# KiCad board PCB.kicad_pcb
title: Freyr; date: 2019-07-11; rev: c; company: HnahKB
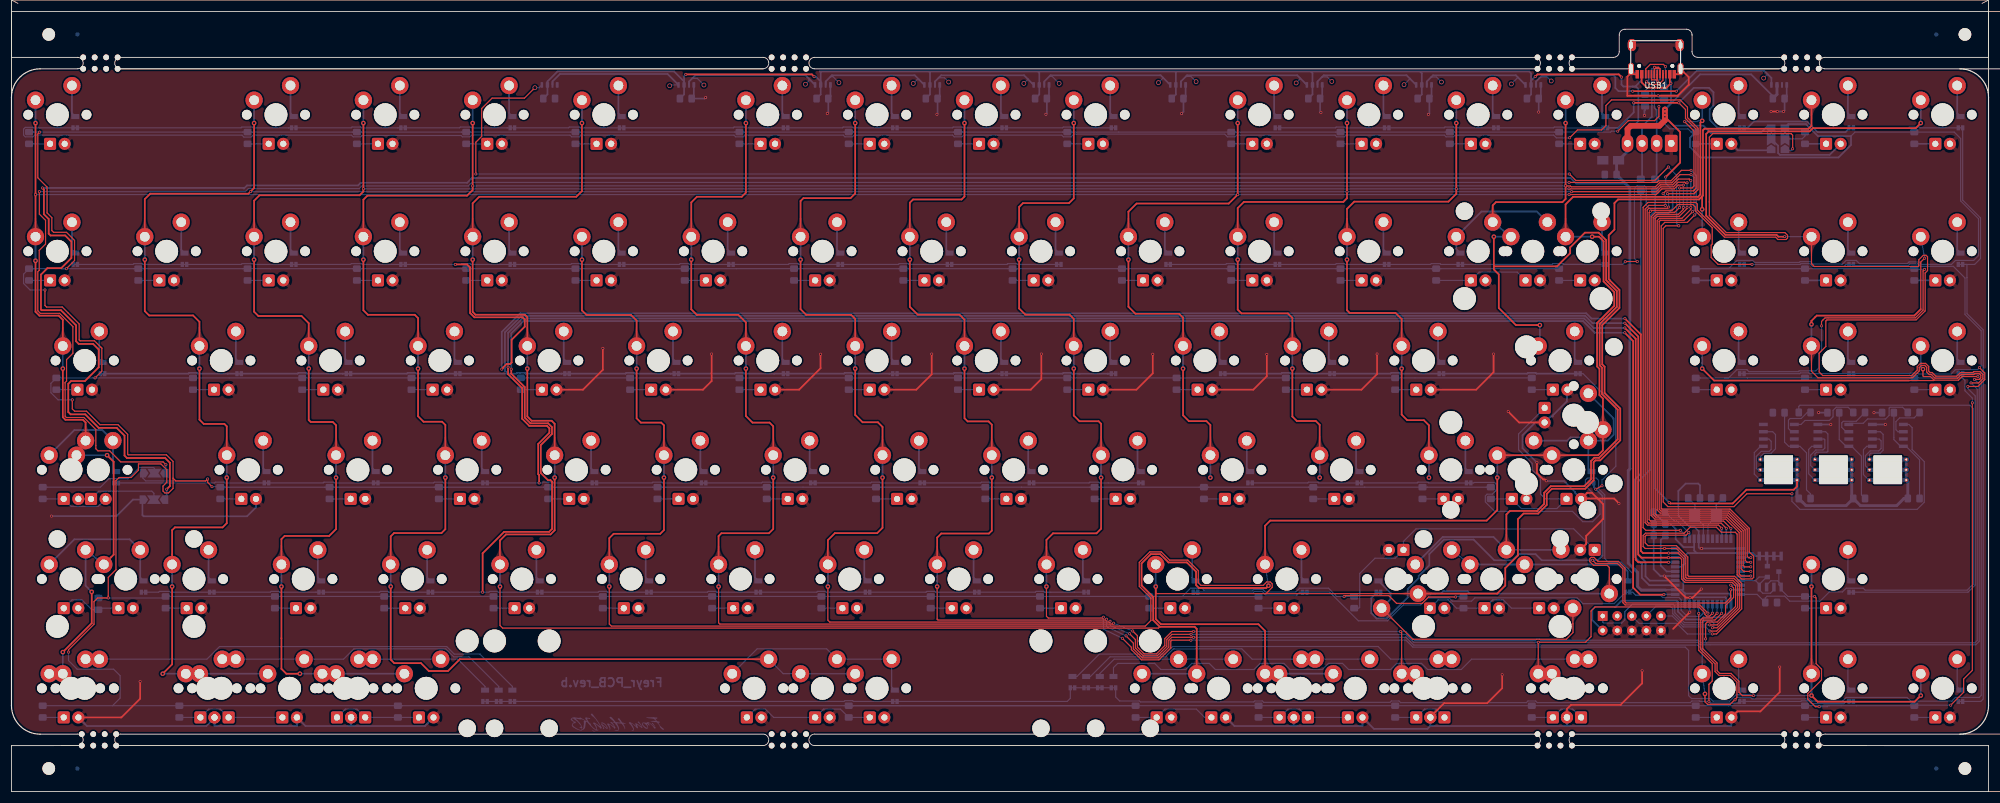
[diagram p0: board, top side]
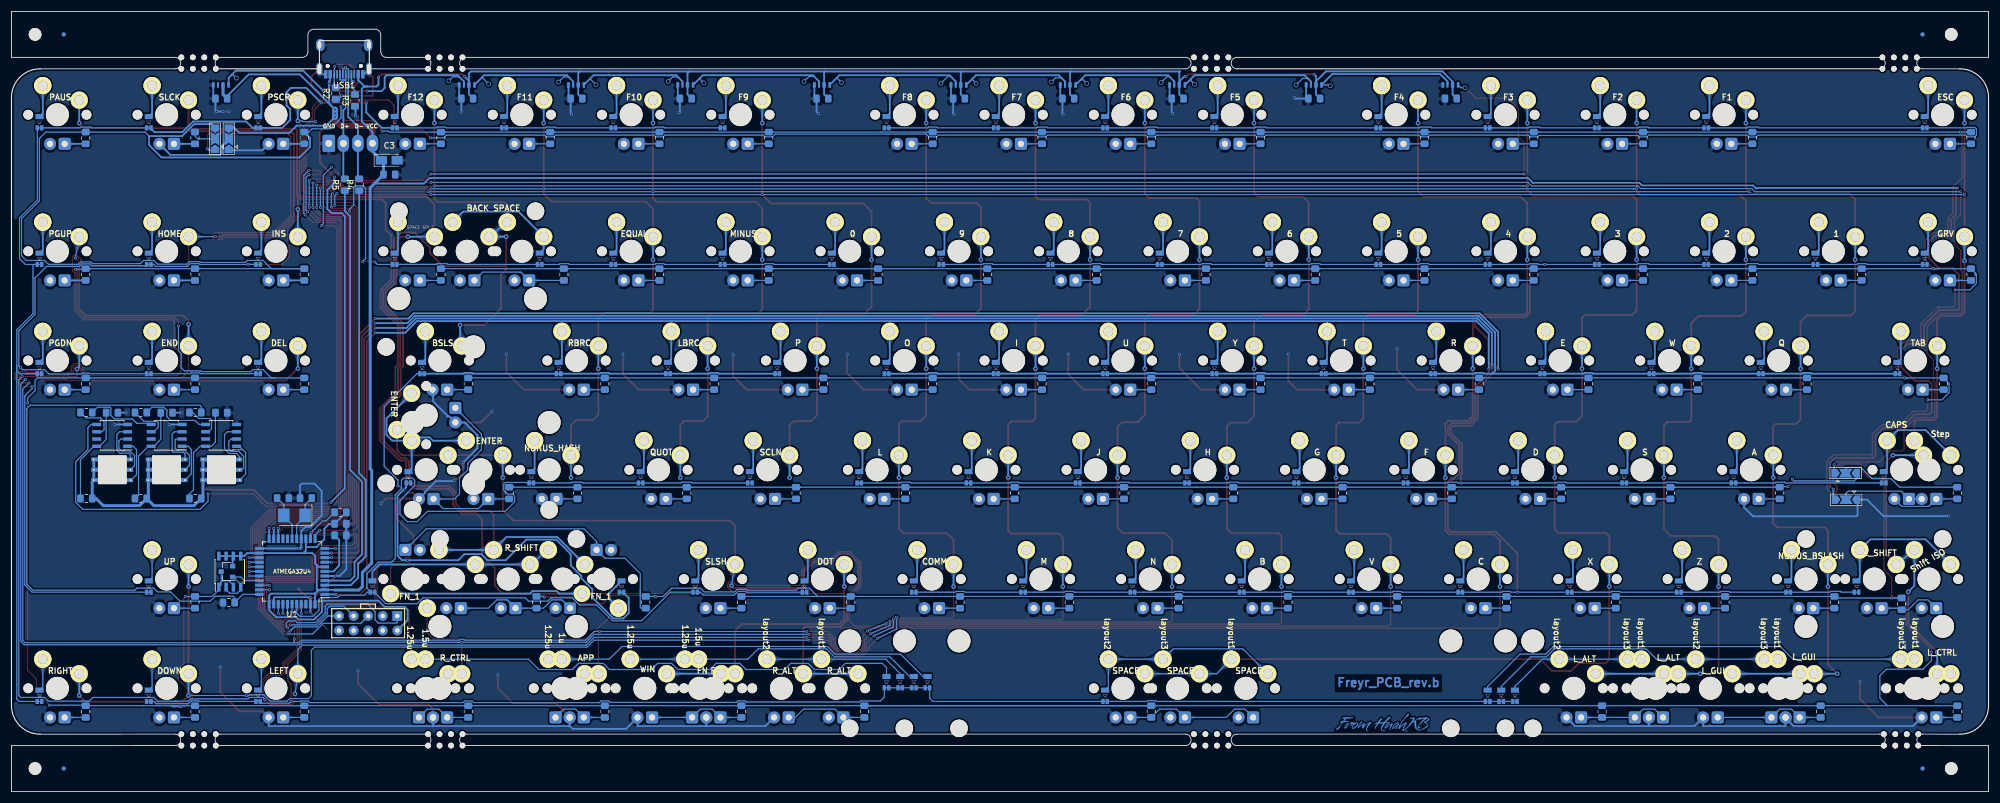
[diagram p1: board, bottom side, seen from below]

Outline 344.61 x 136.01 mm; copper layers: Top, Bottom. Coordinates in mm from the lower left corner of the outline.
Outline path: 0,136.01 344.61,136.01 344.61,128.01 316.11,128.01 arc(315.11,127.01) 316.11,126.01 339.61,126.01 arc(343.15,124.55) 344.61,121.01 344.61,15 arc(343.15,11.46) 339.61,10 316.11,10.01 arc(315.11,9.01) 316.11,8.01 344.61,8 344.61,0 0,0 0,8 11.5,8.01 arc(12.5,9.01) 11.5,10.01 5,10 arc(1.46,11.46) 0,15 0,121.01 arc(1.46,124.55) 5,126.01 11.5,126.01 arc(12.5,127.01) 11.5,128.01 0,128.01 0,136.01 ; 19,128.01 131,128.01 arc(132,127.01) 131,126.01 19,126.01 arc(18,127.01) 19,128.01 ; 19,10.01 131,10.01 arc(132,9.01) 131,8.01 19,8.01 arc(18,9.01) 19,10.01 ; 140,128.01 265.5,128.01 arc(266.5,127.01) 265.5,126.01 140,126.01 arc(139,127.01) 140,128.01 ; 140,10.01 265.5,10.01 arc(266.5,9.01) 265.5,8.01 140,8.01 arc(139,9.01) 140,10.01 ; 272.5,128.01 279.24,128.01 arc(279.95,128.31) 280.24,129.01 280.24,131.92 arc(280.54,132.63) 281.24,132.92 291.93,132.92 arc(292.64,132.63) 292.93,131.92 292.93,129.01 arc(293.23,128.31) 293.93,128.01 308.11,128.01 arc(309.11,127.01) 308.11,126.01 290.93,126.01 290.93,130.92 282.24,130.92 282.24,126.01 272.5,126.01 arc(271.5,127.01) 272.5,128.01 ; 272.5,10.01 308.11,10.01 arc(309.11,9.01) 308.11,8.01 272.5,8.01 arc(271.5,9.01) 272.5,10.01

## Placement (name value [footprint] x y rotation side)
C1  100nF  [C_0805_2012Metric_Pad1.15x1.40mm_HandSolder]  265.17 120.83 0 bottom
C2  100nF  [C_0805_2012Metric_Pad1.15x1.40mm_HandSolder]  308.04 120.83 0 bottom
C3  10uF  [CP_Tantalum_3216]  278.75 110.07 180 bottom
C4  22p  [C_0805_2012Metric_Pad1.15x1.40mm_HandSolder]  293.29 51.16 0 bottom
C5  22p  [C_0805_2012Metric_Pad1.15x1.40mm_HandSolder]  297.29 51.16 180 bottom
C6  1uF  [C_0805_2012Metric_Pad1.15x1.40mm_HandSolder]  287.27 44.68 180 bottom
C7  100nF  [C_0805_2012Metric_Pad1.15x1.40mm_HandSolder]  246.12 120.83 0 bottom
C8  100nF  [C_0805_2012Metric_Pad1.15x1.40mm_HandSolder]  203.26 120.83 0 bottom
C9  100nF  [C_0805_2012Metric_Pad1.15x1.40mm_HandSolder]  179.45 120.83 0 bottom
C10  100nF  [C_0805_2012Metric_Pad1.15x1.40mm_HandSolder]  278.75 107.57 180 bottom
C11  100nF  [C_0805_2012Metric_Pad1.15x1.40mm_HandSolder]  141.35 120.83 0 bottom
C12  100nF  [C_0805_2012Metric_Pad1.15x1.40mm_HandSolder]  117.54 120.83 0 bottom
C13  100nF  [C_0805_2012Metric_Pad1.15x1.40mm_HandSolder]  93.72 120.83 0 bottom
C14  100nF  [C_0805_2012Metric_Pad1.15x1.40mm_HandSolder]  227.07 120.83 0 bottom
C15  100nF  [C_0805_2012Metric_Pad1.15x1.40mm_HandSolder]  160.4 120.83 0 bottom
C16  100nF  [C_0805_2012Metric_Pad1.15x1.40mm_HandSolder]  287.27 46.68 180 bottom
C17  100nF  [C_0805_2012Metric_Pad1.15x1.40mm_HandSolder]  308.04 66.06 180 bottom
C18  100nF  [C_0805_2012Metric_Pad1.15x1.40mm_HandSolder]  317.56 66.06 180 bottom
C19  100nF  [C_0805_2012Metric_Pad1.15x1.40mm_HandSolder]  327.09 66.06 180 bottom
D2  4148  [D_0805_Mab_ideal]  11.11 116.74 270 bottom
D3  LED  [CHERRY_MX_LED_3MM]  8 118.01 0 top
D4  4148  [D_0805_Mab_ideal]  11.11 92.92 270 bottom
D5  4148  [D_0805_Mab_ideal]  15.87 73.87 270 bottom
D6  4148  [D_0805_Mab_ideal]  18.25 54.82 270 bottom
D7  4148  [D_0805_Mab_ideal]  23.02 35.77 270 bottom
D8  4148  [D_0805_Mab_ideal]  87.31 16.72 270 bottom
D9  4148  [D_0805_Mab_ideal]  239.71 116.74 270 bottom
D10  4148  [D_0805_Mab_ideal]  201.61 92.92 270 bottom
D11  4148  [D_0805_Mab_ideal]  211.13 73.87 270 bottom
D12  4148  [D_0805_Mab_ideal]  49.21 116.74 270 bottom
D13  4148  [D_0805_Mab_ideal]  30.16 92.92 270 bottom
D14  4148  [D_0805_Mab_ideal]  39.68 73.87 270 bottom
D15  4148  [D_0805_Mab_ideal]  44.45 54.82 270 bottom
D16  4148  [D_0805_Mab_ideal]  34.92 35.77 270 bottom
D17  4148  [D_0805_Mab_ideal]  84.93 16.72 270 bottom
D18  4148  [D_0805_Mab_ideal]  258.76 116.74 270 bottom
D19  4148  [D_0805_Mab_ideal]  220.66 92.92 270 bottom
D20  4148  [D_0805_Mab_ideal]  230.18 73.87 270 bottom
D21  4148  [D_0805_Mab_ideal]  68.26 116.74 270 bottom
D22  4148  [D_0805_Mab_ideal]  49.21 92.92 270 bottom
D23  4148  [D_0805_Mab_ideal]  58.73 73.87 270 bottom
D24  4148  [D_0805_Mab_ideal]  63.5 54.82 270 bottom
D25  4148  [D_0805_Mab_ideal]  53.97 35.77 270 bottom
D26  4148  [D_0805_Mab_ideal]  82.55 16.72 270 bottom
D27  4148  [D_0805_Mab_ideal]  277.81 116.74 270 bottom
D28  4148  [D_0805_Mab_ideal]  239.71 92.92 270 bottom
D29  4148  [D_0805_Mab_ideal]  249.23 73.87 270 bottom
D30  4148  [D_0805_Mab_ideal]  87.31 116.74 270 bottom
D31  4148  [D_0805_Mab_ideal]  68.26 92.92 270 bottom
D32  4148  [D_0805_Mab_ideal]  77.78 73.87 270 bottom
D33  4148  [D_0805_Mab_ideal]  82.55 54.82 270 bottom
D34  4148  [D_0805_Mab_ideal]  73.02 35.77 270 bottom
D35  4148  [D_0805_Mab_ideal]  153.98 16.72 270 bottom
D36  4148  [D_0805_Mab_ideal]  301.62 116.74 270 bottom
D37  4148  [D_0805_Mab_ideal]  252.54 92.92 270 bottom
D38  4148  [D_0805_Mab_ideal]  273.05 73.87 270 bottom
D39  4148  [D_0805_Mab_ideal]  106.36 116.74 270 bottom
D40  4148  [D_0805_Mab_ideal]  87.31 92.92 270 bottom
D41  4148  [D_0805_Mab_ideal]  96.83 73.87 270 bottom
D42  4148  [D_0805_Mab_ideal]  101.6 54.82 270 bottom
D43  4148  [D_0805_Mab_ideal]  92.07 35.77 270 bottom
D44  4148  [D_0805_Mab_ideal]  189.7 19.11 270 bottom
D45  4148  [D_0805_Mab_ideal]  320.67 116.74 270 bottom
D46  4148  [D_0805_Mab_ideal]  301.62 92.92 270 bottom
D47  4148  [D_0805_Mab_ideal]  275.43 54.82 270 bottom
D49  4148  [D_0805_Mab_ideal]  106.36 92.92 270 bottom
D50  4148  [D_0805_Mab_ideal]  115.88 73.87 270 bottom
D51  4148  [D_0805_Mab_ideal]  120.65 54.82 270 bottom
D52  4148  [D_0805_Mab_ideal]  111.12 35.77 270 bottom
D53  4148  [D_0805_Mab_ideal]  187.32 19.11 270 bottom
D54  4148  [D_0805_Mab_ideal]  339.72 116.74 270 bottom
D55  4148  [D_0805_Mab_ideal]  320.67 92.92 270 bottom
D56  4148  [D_0805_Mab_ideal]  254 54.82 270 bottom
D57  4148  [D_0805_Mab_ideal]  134.93 116.74 270 bottom
D58  4148  [D_0805_Mab_ideal]  125.41 92.92 270 bottom
D59  4148  [D_0805_Mab_ideal]  134.93 73.87 270 bottom
D60  4148  [D_0805_Mab_ideal]  139.7 54.82 270 bottom
D61  4148  [D_0805_Mab_ideal]  130.17 35.77 270 bottom
D62  4148  [D_0805_Mab_ideal]  184.94 19.11 270 bottom
D63  4148  [D_0805_Mab_ideal]  339.72 92.92 270 bottom
D64  4148  [D_0805_Mab_ideal]  320.67 73.87 270 bottom
D65  4148  [D_0805_Mab_ideal]  234.95 54.82 270 bottom
D66  4148  [D_0805_Mab_ideal]  153.98 116.74 270 bottom
D67  4148  [D_0805_Mab_ideal]  144.46 92.92 270 bottom
D68  4148  [D_0805_Mab_ideal]  153.98 73.87 270 bottom
D69  4148  [D_0805_Mab_ideal]  158.75 54.82 270 bottom
D70  4148  [D_0805_Mab_ideal]  149.22 35.77 270 bottom
D71  4148  [D_0805_Mab_ideal]  192.08 19.11 270 bottom
D72  4148  [D_0805_Mab_ideal]  339.72 73.87 270 bottom
D73  4148  [D_0805_Mab_ideal]  301.62 73.87 270 bottom
D74  4148  [D_0805_Mab_ideal]  215.9 54.82 270 bottom
D75  4148  [D_0805_Mab_ideal]  173.03 116.74 270 bottom
D76  4148  [D_0805_Mab_ideal]  163.51 92.92 270 bottom
D77  4148  [D_0805_Mab_ideal]  173.03 73.87 270 bottom
D78  4148  [D_0805_Mab_ideal]  177.8 54.82 270 bottom
D79  4148  [D_0805_Mab_ideal]  168.27 35.77 270 bottom
D80  4148  [D_0805_Mab_ideal]  301.62 16.72 270 bottom
D81  4148  [D_0805_Mab_ideal]  320.67 35.77 270 bottom
D82  4148  [D_0805_Mab_ideal]  281.7 35.77 270 bottom
D83  4148  [D_0805_Mab_ideal]  206.37 35.77 270 bottom
D84  4148  [D_0805_Mab_ideal]  192.08 116.74 270 bottom
D85  4148  [D_0805_Mab_ideal]  182.56 92.92 270 bottom
D86  4148  [D_0805_Mab_ideal]  192.08 73.87 270 bottom
D87  4148  [D_0805_Mab_ideal]  196.85 54.82 270 bottom
D88  4148  [D_0805_Mab_ideal]  187.32 35.77 270 bottom
D89  4148  [D_0805_Mab_ideal]  320.67 16.72 270 bottom
D90  4148  [D_0805_Mab_ideal]  339.72 16.72 270 bottom
D91  4148  [D_0805_Mab_ideal]  238.27 35.77 270 bottom
D92  4148  [D_0805_Mab_ideal]  225.42 35.77 270 bottom
D93  4148  [D_0805_Mab_ideal]  277.81 92.92 270 bottom
D94  LED  [CHERRY_MX_LED_3MM]  8 94.2 0 top
D95  LED  [CHERRY_MX_LED_3MM]  12.76 75.15 0 top
D96  LED  [CHERRY_MX_LED_3MM]  10.38 56.1 0 top
D97  LED  [CHERRY_MX_LED_3MM]  15.14 56.1 0 top
D98  LED  [CHERRY_MX_LED_3MM]  10.38 37.05 0 top
D99  LED  [CHERRY_MX_LED_3MM]  19.91 37.05 0 top
D100  LED  [CHERRY_MX_LED_3MM]  10.38 18 0 top
D102  LED  [CHERRY_MX_LED_3MM]  217.55 118.01 0 top
D103  4148  [D_0805_Mab_ideal]  220.66 116.74 270 bottom
D105  LED  [CHERRY_MX_LED_3MM]  198.5 94.2 0 top
D106  LED  [CHERRY_MX_LED_3MM]  208.02 75.15 0 top
D107  LED  [CHERRY_MX_LED_3MM]  212.79 56.1 0 top
D108  LED  [CHERRY_MX_LED_3MM]  46.1 118.01 0 top
D110  LED  [CHERRY_MX_LED_3MM]  27.05 94.2 0 top
D111  LED  [CHERRY_MX_LED_3MM]  36.57 75.15 0 top
D112  LED  [CHERRY_MX_LED_3MM]  41.34 56.1 0 top
D113  LED  [CHERRY_MX_LED_3MM]  31.81 37.05 0 top
D114  LED  [CHERRY_MX_LED_3MM#2]  34.19 18 0 top
D115  LED  [CHERRY_MX_LED_3MM#3]  36.57 18 0 top
D116  LED  [CHERRY_MX_LED_3MM]  48.48 18 0 top
D117  LED  [CHERRY_MX_LED_3MM]  236.6 118.01 0 top
D118  LED  [CHERRY_MX_LED_3MM]  217.55 94.2 0 top
D119  LED  [CHERRY_MX_LED_3MM]  227.07 75.15 0 top
D120  LED  [CHERRY_MX_LED_3MM]  231.84 56.1 0 top
D121  LED  [CHERRY_MX_LED_3MM]  65.15 118.01 0 top
D123  LED  [CHERRY_MX_LED_3MM]  46.1 94.2 0 top
D124  LED  [CHERRY_MX_LED_3MM]  55.62 75.15 0 top
D125  LED  [CHERRY_MX_LED_3MM]  60.39 56.1 0 top
D126  LED  [CHERRY_MX_LED_3MM]  50.86 37.05 0 top
D127  LED  [CHERRY_MX_LED_3MM#2]  58.01 18 0 top
D128  LED  [CHERRY_MX_LED_3MM#3]  60.39 18 0 top
D129  LED  [CHERRY_MX_LED_3MM]  72.29 18 0 top
D130  LED  [CHERRY_MX_LED_3MM]  255.65 118.01 0 top
D132  LED  [CHERRY_MX_LED_3MM]  236.6 94.2 0 top
D133  LED  [CHERRY_MX_LED_3MM]  246.12 75.15 0 top
D134  LED  [CHERRY_MX_LED_3MM]  250.89 56.1 0 top
D135  LED  [CHERRY_MX_LED_3MM]  84.2 118.01 0 top
D137  LED  [CHERRY_MX_LED_3MM]  65.15 94.2 0 top
D138  LED  [CHERRY_MX_LED_3MM]  74.67 75.15 0 top
D139  LED  [CHERRY_MX_LED_3MM]  79.44 56.1 0 top
D140  LED  [CHERRY_MX_LED_3MM]  69.91 37.05 0 top
D141  LED  [CHERRY_MX_LED_3MM]  129.44 18 0 top
D142  LED  [CHERRY_MX_LED_3MM]  141.35 18 0 top
D143  LED  [CHERRY_MX_LED_3MM]  150.87 18 0 top
D144  LED  [CHERRY_MX_LED_3MM]  274.7 118.01 0 top
D146  LED  [CHERRY_MX_LED_3MM]  255.65 94.2 0 top
D147  LED  [CHERRY_MX_LED_3MM]  265.17 94.2 0 top
D148  LED  [CHERRY_MX_LED_3MM]  269.94 75.15 0 top
D149  LED  [CHERRY_MX_LED_3MM#4]  248.51 37.05 0 top
D150  LED  [CHERRY_MX_LED_3MM]  258.03 37.05 0 top
D151  LED  [CHERRY_MX_LED_3MM]  267.56 37.05 0 top
D152  LED  [CHERRY_MX_LED_3MM]  103.25 118.01 0 top
D154  LED  [CHERRY_MX_LED_3MM]  84.2 94.2 0 top
D155  LED  [CHERRY_MX_LED_3MM]  93.72 75.15 0 top
D156  LED  [CHERRY_MX_LED_3MM]  98.49 56.1 0 top
D157  LED  [CHERRY_MX_LED_3MM]  88.96 37.05 0 top
D158  LED  [CHERRY_MX_LED_3MM]  200.88 18 0 top
D160  LED  [CHERRY_MX_LED_3MM]  210.41 18 0 top
D161  LED  [CHERRY_MX_LED_3MM]  298.51 118.01 0 top
D162  LED  [CHERRY_MX_LED_3MM]  274.7 94.2 0 top
D163  LED  [CHERRY_MX_LED_3MM]  262.79 56.1 0 top
D164  LED  [CHERRY_MX_LED_3MM]  272.32 56.1 0 top
D165  LED  [CHERRY_MX_LED_3MM]  272.32 65.62 270 top
D166  LED  [CHERRY_MX_LED_3MM]  222.31 37.05 0 top
D168  LED  [CHERRY_MX_LED_3MM]  103.25 94.2 0 top
D169  LED  [CHERRY_MX_LED_3MM]  112.77 75.15 0 top
D170  LED  [CHERRY_MX_LED_3MM]  117.54 56.1 0 top
D171  LED  [CHERRY_MX_LED_3MM]  108.01 37.05 0 top
D172  LED  [CHERRY_MX_LED_3MM#2]  222.31 18 0 top
D173  LED  [CHERRY_MX_LED_3MM#3]  224.69 18 0 top
D174  LED  [CHERRY_MX_LED_3MM]  234.22 18 0 top
D176  LED  [CHERRY_MX_LED_3MM]  317.56 118.01 0 top
D177  LED  [CHERRY_MX_LED_3MM]  298.51 94.2 0 top
D178  LED  [CHERRY_MX_LED_3MM]  274.7 37.05 180 top
D179  LED  [CHERRY_MX_LED_3MM]  203.26 37.05 0 top
D180  LED  [CHERRY_MX_LED_3MM]  131.82 118.01 0 top
D181  LED  [CHERRY_MX_LED_3MM]  122.3 94.2 0 top
D182  LED  [CHERRY_MX_LED_3MM]  131.82 75.15 0 top
D183  LED  [CHERRY_MX_LED_3MM]  136.59 56.1 0 top
D184  LED  [CHERRY_MX_LED_3MM]  127.06 37.05 0 top
D185  LED  [CHERRY_MX_LED_3MM#2]  246.12 18 0 top
D186  LED  [CHERRY_MX_LED_3MM#3]  248.51 18 0 top
D187  LED  [CHERRY_MX_LED_3MM]  336.61 118.01 0 top
D188  LED  [CHERRY_MX_LED_3MM]  317.56 94.2 0 top
D189  LED  [CHERRY_MX_LED_3MM]  150.87 118.01 0 top
D190  LED  [CHERRY_MX_LED_3MM]  141.35 94.2 0 top
D191  LED  [CHERRY_MX_LED_3MM]  150.87 75.15 0 top
D192  LED  [CHERRY_MX_LED_3MM]  155.64 56.1 0 top
D193  LED  [CHERRY_MX_LED_3MM]  146.11 37.05 0 top
D194  LED  [CHERRY_MX_LED_3MM#2]  269.94 18 0 top
D195  LED  [CHERRY_MX_LED_3MM#3]  272.32 18 0 top
D196  LED  [CHERRY_MX_LED_3MM]  336.61 94.2 0 top
D197  LED  [CHERRY_MX_LED_3MM]  317.56 75.15 0 top
D198  LED  [CHERRY_MX_LED_3MM]  169.92 118.01 0 top
D199  LED  [CHERRY_MX_LED_3MM]  160.4 94.2 0 top
D200  LED  [CHERRY_MX_LED_3MM]  169.92 75.15 0 top
D201  LED  [CHERRY_MX_LED_3MM]  174.69 56.1 0 top
D202  LED  [CHERRY_MX_LED_3MM]  165.16 37.05 0 top
D203  LED  [CHERRY_MX_LED_3MM]  298.51 18 0 top
D204  LED  [CHERRY_MX_LED_3MM]  336.61 75.15 0 top
D205  LED  [CHERRY_MX_LED_3MM]  298.51 75.15 0 top
D206  LED  [CHERRY_MX_LED_3MM]  188.97 118.01 0 top
D207  LED  [CHERRY_MX_LED_3MM]  179.45 94.2 0 top
D208  LED  [CHERRY_MX_LED_3MM]  188.97 75.15 0 top
D209  LED  [CHERRY_MX_LED_3MM]  193.74 56.1 0 top
D210  LED  [CHERRY_MX_LED_3MM]  184.21 37.05 0 top
D211  LED  [CHERRY_MX_LED_3MM]  317.56 18 0 top
D212  LED  [CHERRY_MX_LED_3MM]  336.61 18 0 top
D213  LED  [CHERRY_MX_LED_3MM]  317.56 37.05 0 top
D214  LED  [CHERRY_MX_LED_3MM]  241.36 37.05 180 top
D222  SK6805  [SK6805-4020]  93.72 123.21 0 bottom
D223  SK6805  [SK6805-4020]  117.54 123.21 0 bottom
D224  SK6805  [SK6805-4020]  141.35 123.21 0 bottom
D225  SK6805  [SK6805-4020]  160.4 123.21 0 bottom
D226  SK6805  [SK6805-4020]  179.45 123.21 0 bottom
D227  SK6805  [SK6805-4020]  203.26 123.21 0 bottom
D228  SK6805  [SK6805-4020]  227.07 123.21 0 bottom
D229  SK6805  [SK6805-4020]  246.12 123.21 0 bottom
D230  SK6805  [SK6805-4020]  265.17 123.21 0 bottom
D231  SK6805  [SK6805-4020]  308.04 123.21 0 bottom
D232  LED_RGB  [LED_RGB_PLCC-6_UpSide]  308.04 56.1 0 bottom
D233  LED_RGB  [LED_RGB_PLCC-6_UpSide]  317.56 56.1 0 bottom
D234  LED_RGB  [LED_RGB_PLCC-6_UpSide]  327.06 56.1 0 bottom
G***  LOGO  [From HnahKB]  105.5 12 180 bottom
H2  Cherry Stabilizer  [Cherry_Stab_PCBMounted]  93.72 18 180 top
H14  Cherry Stabilizer  [Cherry_Stab_PCBMounted]  188.97 18 180 top
H15  Cherry Stabilizer  [Cherry_Stab_PCBMounted]  272.32 53.72 270 top
H16  Cherry Stabilizer  [Cherry_Stab_PCBMounted]  179.45 18 180 top
H17  Cherry Stabilizer  [Cherry_Stab_PCBMounted]  79.44 18 180 top
H18  Cherry Stabilizer  [Cherry_Stab_PCBMounted]  269.94 37.05 0 top
H19  Cherry Stabilizer  [Cherry_Stab_PCBMounted]  274.7 56.1 180 top
H20  Cherry Stabilizer  [Cherry_Stab_PCBMounted]  250.89 56.1 180 top
H21  Cherry Stabilizer  [Cherry_Stab_PCBMounted]  272.32 77.53 270 top
H22  Cherry Stabilizer  [Cherry_Stab_PCBMounted]  253.27 94.2 0 top
H24  Cherry Stabilizer  [Cherry_Stab_PCBMounted]  31.81 37.05 0 top
H26  Cherry Stabilizer  [Cherry_Stab_PCBMounted]  246.12 37.05 0 top
H27  Cherry Stabilizer  [Cherry_Stab_PCBMounted]  84.2 18 180 top
H28  Cherry Stabilizer  [Cherry_Stab_PCBMounted]  277.08 94.2 0 top
H29  Cherry Stabilizer  [Cherry_Stab_PCBMounted]  8 37.05 0 top
H30  Cherry Stabilizer  [Cherry_Stab_PCBMounted]  198.5 18 180 top
J2  Conn_01x04_Female  [PinSocket_1x04_P2.54mm]  289.3 113.01 90 bottom
J4  AVR-ISP-10  [AVR_ICSP_5x2]  279.9 29.34 0 bottom
JP1  jump  [SolderJumper-3_P2.0mm_Open_TrianglePad1.0x1.5mm]  24.83 50.9 0 bottom
JP2  jump  [SolderJumper-3_P2.0mm_Open_TrianglePad1.0x1.5mm]  24.9 55.5 180 bottom
JP3  jump  [SolderJumper-3_P2.0mm_Open_TrianglePad1.0x1.5mm]  306.72 113.81 90 bottom
JP4  jump  [SolderJumper-3_P2.0mm_Open_TrianglePad1.0x1.5mm]  309.12 113.81 90 bottom
Q1  PZT2222A  [SOT-23]  307.06 38.35 0 bottom
Q2  FDS9926A  [SOIC-8_3.9x4.9mm_P1.27mm]  306.56 38.35 90 bottom
R1  10k  [R_0805_2012Metric_Pad1.15x1.40mm_HandSolder]  287.27 48.68 180 bottom
R2  5k1  [R_0805_2012Metric_Pad1.15x1.40mm_HandSolder]  288.08 121.72 90 bottom
R3  5k1  [R_0805_2012Metric_Pad1.15x1.40mm_HandSolder]  284.74 120.5 90 bottom
R4  22  [R_0805_2012Metric_Pad1.15x1.40mm_HandSolder]  284 105.8 90 bottom
R5  22  [R_0805_2012Metric_Pad1.15x1.40mm_HandSolder]  286.5 105.8 90 bottom
R6  10k  [R_0805_2012Metric_Pad1.15x1.40mm_HandSolder]  306.72 32.96 180 bottom
R7  3300  [R_0805_2012Metric_Pad1.15x1.40mm_HandSolder]  3.06 113.96 90 bottom
R8  3300  [R_0805_2012Metric_Pad1.15x1.40mm_HandSolder]  3.06 90.14 90 bottom
R9  3300  [R_0805_2012Metric_Pad1.15x1.40mm_HandSolder]  7.82 71.09 90 bottom
R10  3300  [R_0805_2012Metric_Pad1.15x1.40mm_HandSolder]  5.44 52.04 90 bottom
R11  3300  [R_0805_2012Metric_Pad1.15x1.40mm_HandSolder]  15.14 32.72 90 bottom
R12  3300  [R_0805_2012Metric_Pad1.15x1.40mm_HandSolder]  5.44 13.94 90 bottom
R13  3300  [R_0805_2012Metric_Pad1.15x1.40mm_HandSolder]  212.61 113.96 90 bottom
R14  3300  [R_0805_2012Metric_Pad1.15x1.40mm_HandSolder]  193.56 90.14 90 bottom
R15  3300  [R_0805_2012Metric_Pad1.15x1.40mm_HandSolder]  203.09 71.09 90 bottom
R16  3300  [R_0805_2012Metric_Pad1.15x1.40mm_HandSolder]  207.85 52.04 90 bottom
R17  3300  [R_0805_2012Metric_Pad1.15x1.40mm_HandSolder]  41.16 113.96 90 bottom
R18  3300  [R_0805_2012Metric_Pad1.15x1.40mm_HandSolder]  22.11 90.14 90 bottom
R19  3300  [R_0805_2012Metric_Pad1.15x1.40mm_HandSolder]  31.64 71.09 90 bottom
R20  3300  [R_0805_2012Metric_Pad1.15x1.40mm_HandSolder]  36.4 52.04 90 bottom
R21  3300  [R_0805_2012Metric_Pad1.15x1.40mm_HandSolder]  26.87 32.99 90 bottom
R22  3300  [R_0805_2012Metric_Pad1.15x1.40mm_HandSolder]  29.26 13.94 90 bottom
R23  3300  [R_0805_2012Metric_Pad1.15x1.40mm_HandSolder]  231.66 113.96 90 bottom
R24  3300  [R_0805_2012Metric_Pad1.15x1.40mm_HandSolder]  212.61 90.14 90 bottom
R25  3300  [R_0805_2012Metric_Pad1.15x1.40mm_HandSolder]  222.14 71.09 90 bottom
R26  3300  [R_0805_2012Metric_Pad1.15x1.40mm_HandSolder]  226.9 52.04 90 bottom
R27  3300  [R_0805_2012Metric_Pad1.15x1.40mm_HandSolder]  60.21 113.96 90 bottom
R28  3300  [R_0805_2012Metric_Pad1.15x1.40mm_HandSolder]  41.16 90.14 90 bottom
R29  3300  [R_0805_2012Metric_Pad1.15x1.40mm_HandSolder]  50.69 71.09 90 bottom
R30  3300  [R_0805_2012Metric_Pad1.15x1.40mm_HandSolder]  55.45 52.04 90 bottom
R31  3300  [R_0805_2012Metric_Pad1.15x1.40mm_HandSolder]  45.92 32.99 90 bottom
R32  3300  [R_0805_2012Metric_Pad1.15x1.40mm_HandSolder]  67.36 13.94 90 bottom
R33  3300  [R_0805_2012Metric_Pad1.15x1.40mm_HandSolder]  250.71 113.96 90 bottom
R34  3300  [R_0805_2012Metric_Pad1.15x1.40mm_HandSolder]  231.66 90.14 90 bottom
R35  3300  [R_0805_2012Metric_Pad1.15x1.40mm_HandSolder]  241.19 71.09 90 bottom
R36  3300  [R_0805_2012Metric_Pad1.15x1.40mm_HandSolder]  245.95 52.04 90 bottom
R37  3300  [R_0805_2012Metric_Pad1.15x1.40mm_HandSolder]  79.26 113.96 90 bottom
R38  3300  [R_0805_2012Metric_Pad1.15x1.40mm_HandSolder]  60.21 90.14 90 bottom
R39  3300  [R_0805_2012Metric_Pad1.15x1.40mm_HandSolder]  69.74 71.09 90 bottom
R40  3300  [R_0805_2012Metric_Pad1.15x1.40mm_HandSolder]  74.5 52.04 90 bottom
R41  3300  [R_0805_2012Metric_Pad1.15x1.40mm_HandSolder]  64.97 32.99 90 bottom
R42  3300  [R_0805_2012Metric_Pad1.15x1.40mm_HandSolder]  145.94 13.94 90 bottom
R43  3300  [R_0805_2012Metric_Pad1.15x1.40mm_HandSolder]  269.76 113.96 90 bottom
R44  3300  [R_0805_2012Metric_Pad1.15x1.40mm_HandSolder]  248.33 90.14 90 bottom
R45  3300  [R_0805_2012Metric_Pad1.15x1.40mm_HandSolder]  265 71.09 90 bottom
R46  3300  [R_0805_2012Metric_Pad1.15x1.40mm_HandSolder]  253.09 32.99 90 bottom
R47  3300  [R_0805_2012Metric_Pad1.15x1.40mm_HandSolder]  98.31 113.96 90 bottom
R48  3300  [R_0805_2012Metric_Pad1.15x1.40mm_HandSolder]  79.26 90.14 90 bottom
R49  3300  [R_0805_2012Metric_Pad1.15x1.40mm_HandSolder]  88.79 71.09 90 bottom
R50  3300  [R_0805_2012Metric_Pad1.15x1.40mm_HandSolder]  93.55 52.04 90 bottom
R51  3300  [R_0805_2012Metric_Pad1.15x1.40mm_HandSolder]  84.02 32.99 90 bottom
R52  3300  [R_0805_2012Metric_Pad1.15x1.40mm_HandSolder]  195.94 13.94 90 bottom
R53  3300  [R_0805_2012Metric_Pad1.15x1.40mm_HandSolder]  293.57 113.96 90 bottom
R54  3300  [R_0805_2012Metric_Pad1.15x1.40mm_HandSolder]  269.76 90.14 90 bottom
R55  3300  [R_0805_2012Metric_Pad1.15x1.40mm_HandSolder]  257.86 52.04 90 bottom
R56  3300  [R_0805_2012Metric_Pad1.15x1.40mm_HandSolder]  217.37 32.99 90 bottom
R58  3300  [R_0805_2012Metric_Pad1.15x1.40mm_HandSolder]  98.31 90.14 90 bottom
R59  3300  [R_0805_2012Metric_Pad1.15x1.40mm_HandSolder]  107.84 71.09 90 bottom
R60  3300  [R_0805_2012Metric_Pad1.15x1.40mm_HandSolder]  112.6 52.04 90 bottom
R61  3300  [R_0805_2012Metric_Pad1.15x1.40mm_HandSolder]  103.07 32.99 90 bottom
R62  3300  [R_0805_2012Metric_Pad1.15x1.40mm_HandSolder]  217.37 13.94 90 bottom
R63  3300  [R_0805_2012Metric_Pad1.15x1.40mm_HandSolder]  312.62 113.96 90 bottom
R64  3300  [R_0805_2012Metric_Pad1.15x1.40mm_HandSolder]  293.57 90.14 90 bottom
R65  3300  [R_0805_2012Metric_Pad1.15x1.40mm_HandSolder]  234.04 32.99 90 bottom
R66  3300  [R_0805_2012Metric_Pad1.15x1.40mm_HandSolder]  198.32 32.99 90 bottom
R67  3300  [R_0805_2012Metric_Pad1.15x1.40mm_HandSolder]  126.89 113.96 90 bottom
R68  3300  [R_0805_2012Metric_Pad1.15x1.40mm_HandSolder]  117.36 90.14 90 bottom
R69  3300  [R_0805_2012Metric_Pad1.15x1.40mm_HandSolder]  126.89 71.09 90 bottom
R70  3300  [R_0805_2012Metric_Pad1.15x1.40mm_HandSolder]  131.65 52.04 90 bottom
R71  3300  [R_0805_2012Metric_Pad1.15x1.40mm_HandSolder]  122.12 32.99 90 bottom
R72  3300  [R_0805_2012Metric_Pad1.15x1.40mm_HandSolder]  241.19 13.94 90 bottom
R73  3300  [R_0805_2012Metric_Pad1.15x1.40mm_HandSolder]  331.67 113.96 90 bottom
R74  3300  [R_0805_2012Metric_Pad1.15x1.40mm_HandSolder]  312.62 90.14 90 bottom
R75  3300  [R_0805_2012Metric_Pad1.15x1.40mm_HandSolder]  145.94 113.96 90 bottom
R76  3300  [R_0805_2012Metric_Pad1.15x1.40mm_HandSolder]  136.41 90.14 90 bottom
R77  3300  [R_0805_2012Metric_Pad1.15x1.40mm_HandSolder]  145.94 71.09 90 bottom
R78  3300  [R_0805_2012Metric_Pad1.15x1.40mm_HandSolder]  150.7 52.04 90 bottom
R79  3300  [R_0805_2012Metric_Pad1.15x1.40mm_HandSolder]  141.17 32.99 90 bottom
R80  3300  [R_0805_2012Metric_Pad1.15x1.40mm_HandSolder]  265 13.94 90 bottom
R81  3300  [R_0805_2012Metric_Pad1.15x1.40mm_HandSolder]  331.67 90.14 90 bottom
R82  3300  [R_0805_2012Metric_Pad1.15x1.40mm_HandSolder]  312.62 71.09 90 bottom
R83  3300  [R_0805_2012Metric_Pad1.15x1.40mm_HandSolder]  164.99 113.96 90 bottom
R84  3300  [R_0805_2012Metric_Pad1.15x1.40mm_HandSolder]  155.46 90.14 90 bottom
R85  3300  [R_0805_2012Metric_Pad1.15x1.40mm_HandSolder]  164.99 71.09 90 bottom
R86  3300  [R_0805_2012Metric_Pad1.15x1.40mm_HandSolder]  169.75 52.04 90 bottom
R87  3300  [R_0805_2012Metric_Pad1.15x1.40mm_HandSolder]  160.22 32.99 90 bottom
R88  3300  [R_0805_2012Metric_Pad1.15x1.40mm_HandSolder]  293.57 13.94 90 bottom
R89  3300  [R_0805_2012Metric_Pad1.15x1.40mm_HandSolder]  331.67 71.09 90 bottom
R90  3300  [R_0805_2012Metric_Pad1.15x1.40mm_HandSolder]  293.57 71.09 90 bottom
R91  3300  [R_0805_2012Metric_Pad1.15x1.40mm_HandSolder]  184.04 113.96 90 bottom
R92  3300  [R_0805_2012Metric_Pad1.15x1.40mm_HandSolder]  174.51 90.14 90 bottom
R93  3300  [R_0805_2012Metric_Pad1.15x1.40mm_HandSolder]  184.04 71.09 90 bottom
R94  3300  [R_0805_2012Metric_Pad1.15x1.40mm_HandSolder]  188.8 52.04 90 bottom